# Altium PCB P0.PcbDoc (part 1 of 3) (continued)
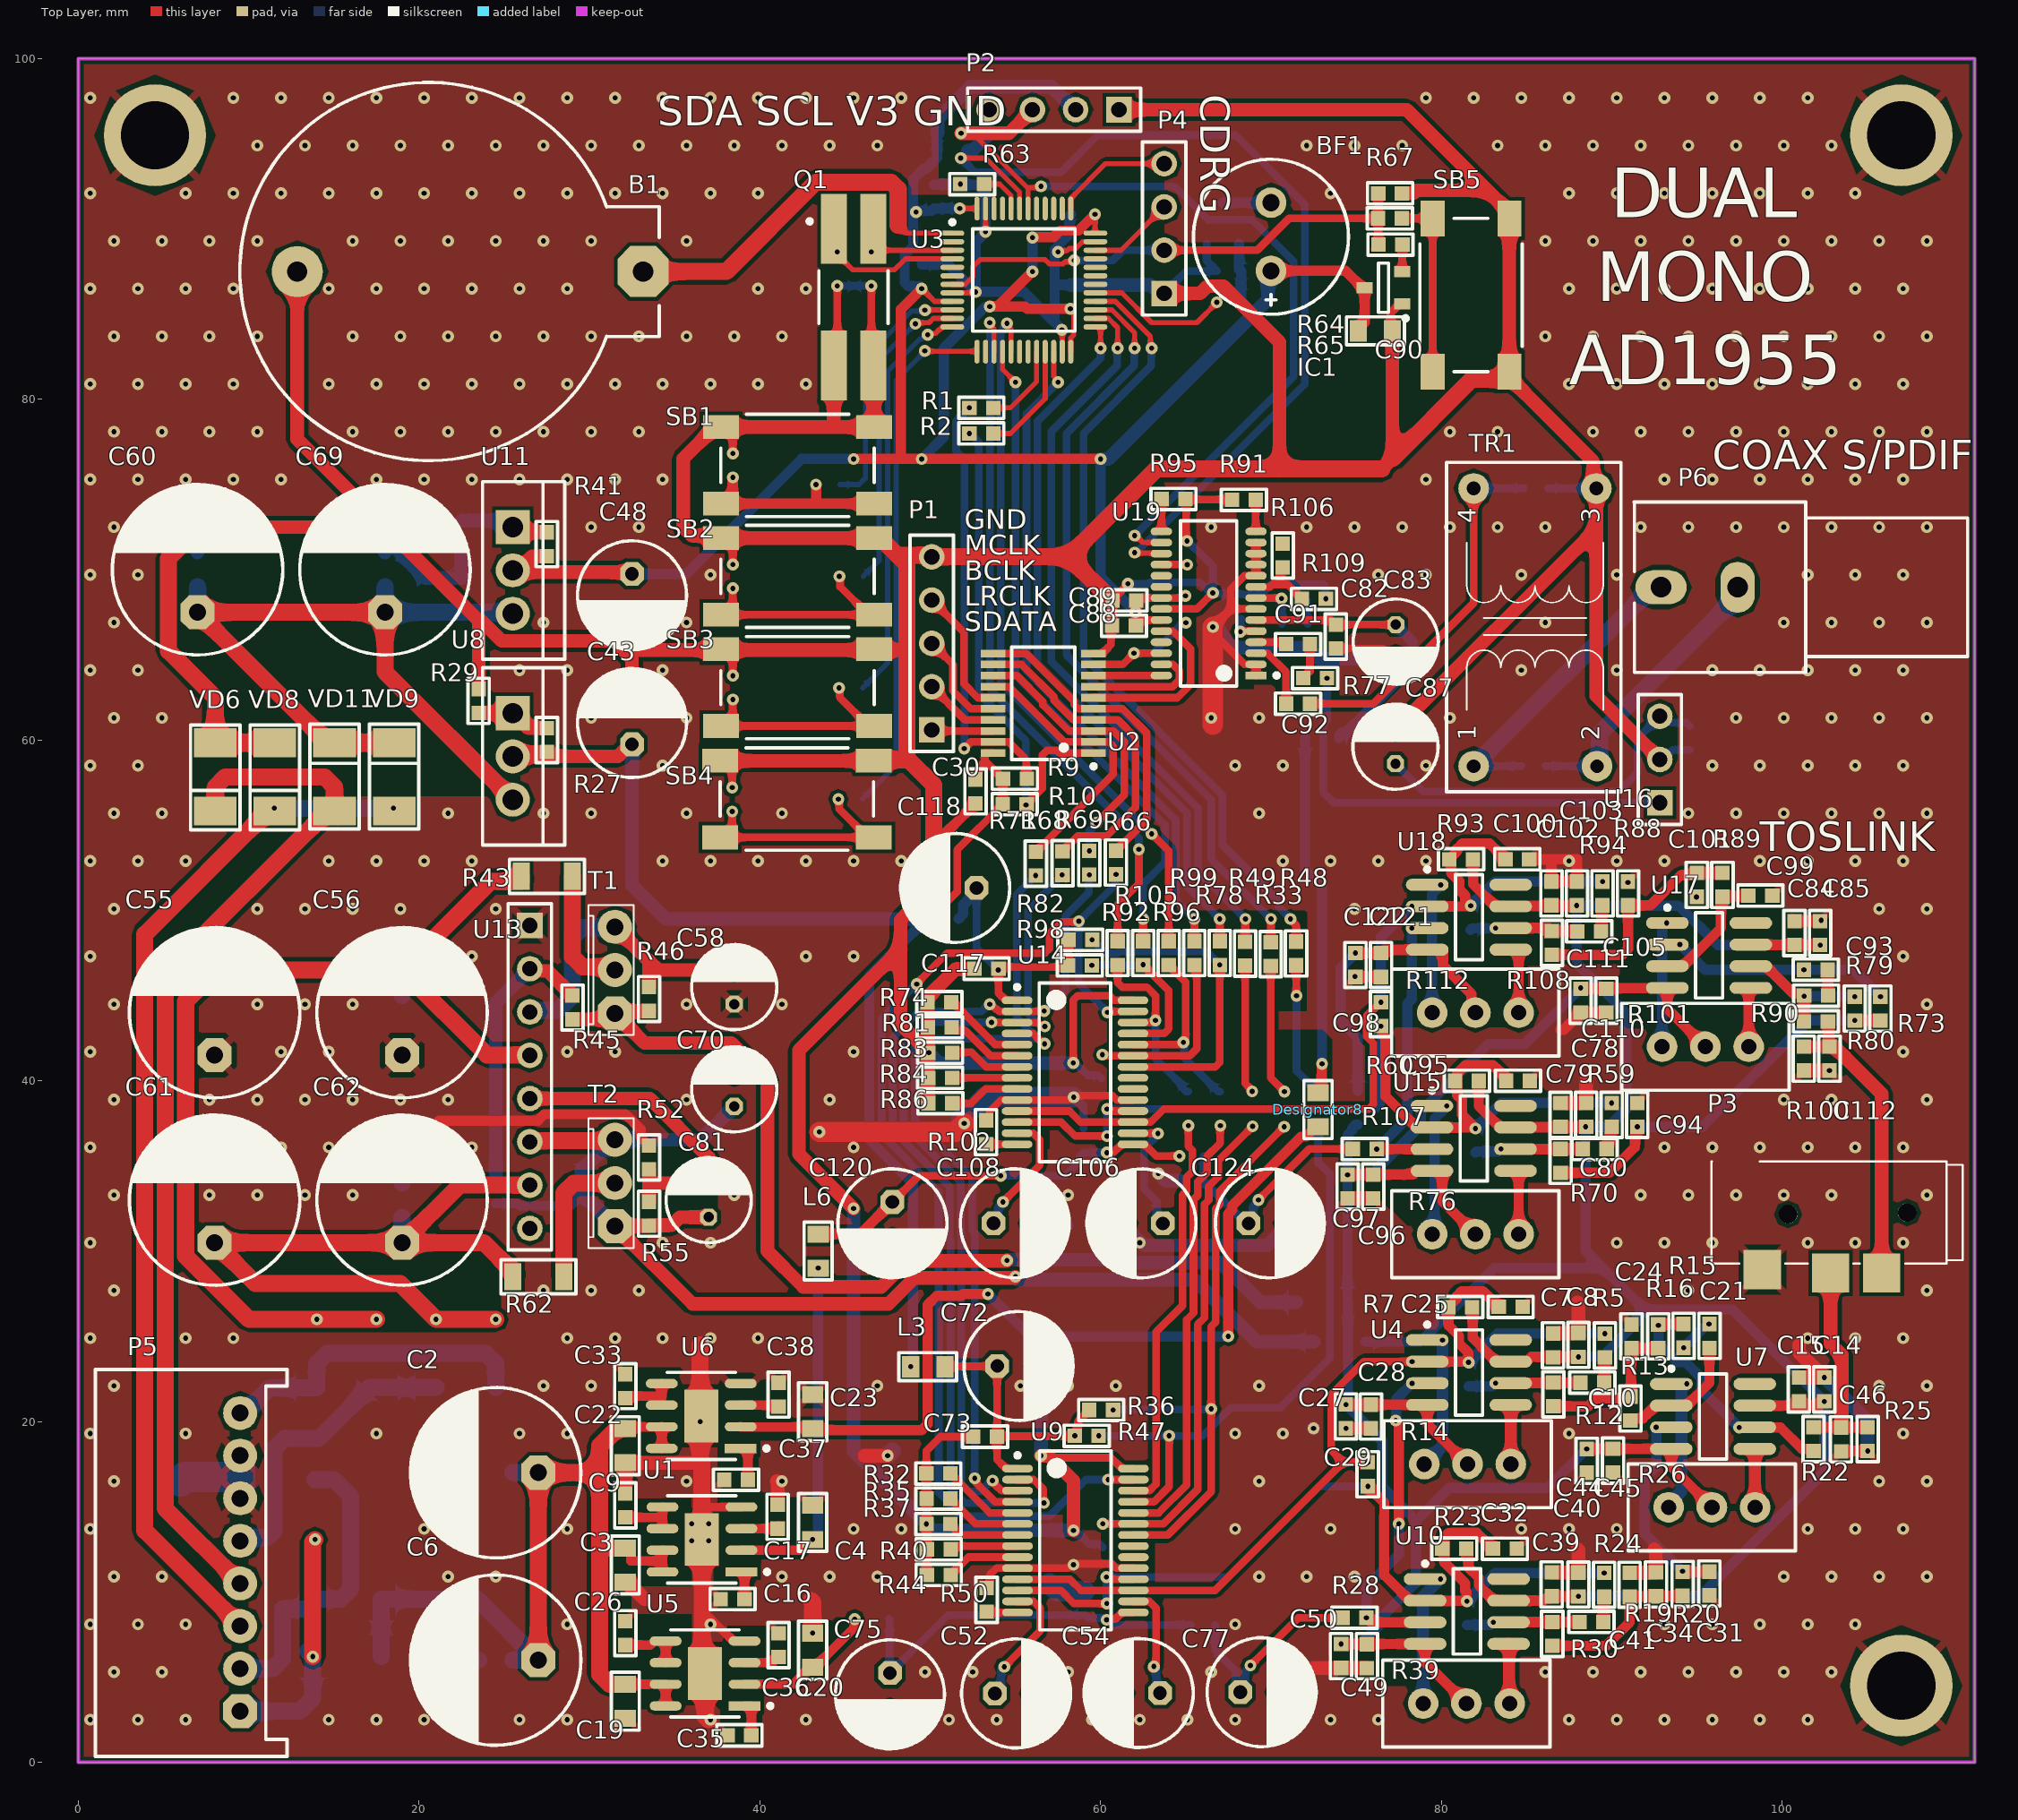
[diagram p0: Top Layer view]
## Components (designator, comment, footprint, x,y, rotation, side; value= is the part's Value field where it differs from the comment) (continued)
C86 "Ceramic capacitor, 0.1u, X7R, ±10%, 16V, 0201, -55...+125°C" "CAP: 0603" 94.587,60.127 r90 bottom value=0.1u
C87 "Aluminium capacitor, 10μF, 50V, ±20%, 54mOhm, 14x10x5 mm, -55...+105°C" "CAP: D5C2H11" 77.309,59.61 r90 top value=10μF
C88 "Ceramic capacitor, 0.1u, X7R, ±10%, 16V, 0201, -55...+125°C" "CAP: 0603" 61.374,66.71 r0 top value=0.1u
C89 "Ceramic capacitor, 0.1u, X7R, ±10%, 16V, 0201, -55...+125°C" "CAP: 0603" 61.39,68.197 r0 top value=0.1u
C90 "Ceramic capacitor, 0.1u, X7R, ±10%, 16V, 0201, -55...+125°C" "CAP: 0805" 76.13,84.02 r0 top value=0.1u
C91 "Ceramic capacitor, 10n, X7R, ±10%, 16V, 0201, -55...+125°C" "CAP: 0603" 71.591,65.636 r180 top value=10n
C92 "Ceramic capacitor, 10n, X7R, ±10%, 16V, 0201, -55...+125°C" "CAP: 0603" 71.591,62.136 r180 top value=10n
C93 "Ceramic capacitor, 2.7n, X7R, ±10%, 16V, 0201, -55...+125°C" "CAP: 0603" 101.978,46.519 r0 top value=2.7n
C94 "Ceramic capacitor, 5.6n, X7R, ±10%, 16V, 0201, -55...+125°C" "CAP: 0603" 91.5,38 r90 top value=5.6n
C95 "Ceramic capacitor, 100p, X7R, ±10%, 16V, 0201, -55...+125°C" "CAP: 0603" 84.5,40 r0 top value=100p
C96 "Ceramic capacitor, 0.1u, X7R, ±10%, 16V, 0201, -55...+125°C" "CAP: 0603" 76,33.8 r270 top value=0.1u
C97 "Ceramic capacitor, 4.7u, X7R, ±10%, 16V, 0201, -55...+125°C" "CAP: 0603" 74.5,33.8 r270 top value=4.7u
C98 "Ceramic capacitor, 100p, X7R, ±10%, 16V, 0201, -55...+125°C" "CAP: 0603" 76.456,43.913 r270 top value=100p
C99 "Ceramic capacitor, 2.7n, X7R, ±10%, 16V, 0201, -55...+125°C" "CAP: 0603" 98.726,50.874 r180 top value=2.7n
C100 "Ceramic capacitor, 100p, X7R, ±10%, 16V, 0201, -55...+125°C" "CAP: 0603" 84.46,53 r0 top value=100p
C101 "Ceramic capacitor, 5.6n, X7R, ±10%, 16V, 0201, -55...+125°C" "CAP: 0603" 95,51.5 r90 top value=5.6n
C102 "Ceramic capacitor, 4.7u, X7R, ±10%, 16V, 0201, -55...+125°C" "CAP: 0603" 86.46,51 r90 top value=4.7u
C103 "Ceramic capacitor, 0.1u, X7R, ±10%, 16V, 0201, -55...+125°C" "CAP: 0603" 87.96,51 r90 top value=0.1u
C104 "Ceramic capacitor, 10n, X7R, ±10%, 16V, 0201, -55...+125°C" "CAP: 0603" 68.264,67.837 r270 bottom value=10n
C105 "Ceramic capacitor, 100p, X7R, ±10%, 16V, 0201, -55...+125°C" "CAP: 0603" 88.683,48.772 r0 top value=100p
C106 "Aluminium capacitor, 100μF, 25V, ±20%, 54mOhm, 14x10x5 mm, -55...+105°C" "CAP: D6.3C2.5H11" 62.401,31.632 r180 top value=100μF
C107 "Ceramic capacitor, 0.1u, X7R, ±10%, 16V, 0201, -55...+125°C" "CAP: 0603" 54.968,32.893 r0 bottom value=0.1u
C108 "Aluminium capacitor, 100μF, 25V, ±20%, 54mOhm, 14x10x5 mm, -55...+105°C" "CAP: D6.3C2.5H11" 54.965,31.636 r0 top value=100μF
C109 "Ceramic capacitor, 0.1u, X7R, ±10%, 16V, 0201, -55...+125°C" "CAP: 0603" 62.401,33.132 r180 bottom value=0.1u
C110 "Ceramic capacitor, 0.1u, X7R, ±10%, 16V, 0201, -55...+125°C" "CAP: 0603" 89.678,44.7 r270 top value=0.1u
C111 "Ceramic capacitor, 4.7u, X7R, ±10%, 16V, 0201, -55...+125°C" "CAP: 0603" 88.178,44.7 r270 top value=4.7u
C112 "Ceramic capacitor, 3.9n, X7R, ±10%, 16V, 0201, -55...+125°C" "CAP: 0603" 102.779,41.302 r90 top value=3.9n
C113 "Ceramic capacitor, 22n, X7R, ±10%, 16V, 0201, -55...+125°C" "CAP: 0603" 72.173,66.109 r270 bottom value=22n
C114 "Ceramic capacitor, 1n, X7R, ±10%, 16V, 0201, -55...+125°C" "CAP: 0603" 70.639,66.119 r90 bottom value=1n
C115 "Ceramic capacitor, 12p, X7R, ±10%, 16V, 0201, -55...+125°C" "CAP: 0805" 46.55,87.66 r90 bottom value=12p
C116 "Ceramic capacitor, 12p, X7R, ±10%, 16V, 0201, -55...+125°C" "CAP: 0805" 44.55,87.66 r90 bottom value=12p
C117 "Ceramic capacitor, 0.1u, X7R, ±10%, 16V, 0201, -55...+125°C" "CAP: 0603" 53.309,46.585 r180 top value=0.1u
C118 "Aluminium capacitor, 100μF, 25V, ±20%, 54mOhm, 14x10x5 mm, -55...+105°C" "CAP: D6.3C2.5H11" 51.467,51.32 r180 top value=100μF
C119 "Ceramic capacitor, 0.1u, X7R, ±10%, 16V, 0201, -55...+125°C" "CAP: 0603" 59,36.5 r90 bottom value=0.1u
C120 "Aluminium capacitor, 100μF, 25V, ±20%, 54mOhm, 14x10x5 mm, -55...+105°C" "CAP: D6.3C2.5H11" 47.781,31.637 r270 top value=100μF
C121 "Ceramic capacitor, 0.1u, X7R, ±10%, 16V, 0201, -55...+125°C" "CAP: 0603" 76.46,46.8 r270 top value=0.1u
C122 "Ceramic capacitor, 4.7u, X7R, ±10%, 16V, 0201, -55...+125°C" "CAP: 0603" 74.96,46.8 r270 top value=4.7u
C123 "Ceramic capacitor, 0.1u, X7R, ±10%, 16V, 0201, -55...+125°C" "CAP: 0603" 70,33 r0 bottom value=0.1u
C124 "Aluminium capacitor, 100μF, 25V, ±20%, 54mOhm, 14x10x5 mm, -55...+105°C" "CAP: D6.3C2.5H11" 69.932,31.632 r0 top value=100μF
Designator2 "Comment" "RES: 0805" 75.091,38.417 r90 bottom
Designator3 "Comment" "RES: 0805" 65.147,38.375 r90 bottom
Designator4 "Comment" "RES: 0805" 67.028,38.364 r90 bottom
Designator5 "Comment" "RES: 0805" 68.927,38.315 r90 bottom
Designator6 "Comment" "RES: 0805" 70.842,38.306 r90 bottom
Designator7 "Comment" "RES: 0805" 72.763,38.326 r90 bottom
Designator8 "Comment" "RES: 0805" 72.763,38.306 r90 top
IC1 "MAX809SEUR" SOT95P230X112-3N 76.604,86.551 r180 top
L1 "Fixed inductor, 100nH, ±5%, 0201, 80mA, -55...+125°C" "IND: 0805" 58.409,12.601 r270 bottom value=100nH
L2 "Fixed inductor, 100nH, ±5%, 0201, 80mA, -55...+125°C" "IND: 0805" 46.587,8.427 r180 bottom value=100nH
L3 "Fixed inductor, 100nH, ±5%, 0201, 80mA, -55...+125°C" "IND: 0805" 49.857,23.223 r180 top value=100nH
L4 "Fixed inductor, 100nH, ±5%, 0201, 80mA, -55...+125°C" "IND: 0805" 73,60.138 r0 bottom value=100nH
L5 "Fixed inductor, 100nH, ±5%, 0201, 80mA, -55...+125°C" "IND: 0805" 58.4,40.044 r270 bottom value=100nH
L6 "Fixed inductor, 100nH, ±5%, 0201, 80mA, -55...+125°C" "IND: 0805" 43.423,30.007 r270 top value=100nH
L7 "Fixed inductor, 100nH, ±5%, 0201, 80mA, -55...+125°C" "IND: 0805" 66.591,67.636 r90 bottom value=100nH
L8 "Fixed inductor, 100nH, ±5%, 0201, 80mA, -55...+125°C" "IND: 0805" 50.667,49.514 r180 bottom value=100nH
P1 "I2S" HDR1X5 50.091,60.596 r90 top
P2 "Header 4" HDR1X4 61.08,97 r180 top
P3 "SJ2-3573A2-SMT-TR" CUI_SJ2-3573A2-SMT-TR 102.746,32.27 r180 top
P4 "SW" HDR1X4 63.734,86.215 r90 top
P5 "Connector, 8pin, 2.5mm, 250VAC, 3A" "CON: CWF-8R" 9.5,11.75 r90 top
P6 "RCA" RCA/4.5-H2 101.394,68.971 r0 top (schematic designator J1)
Q1 "32.768kHz" XTAL_EPSON_MC-406 45.5,86 r0 top
R1 "Resistor film, 1k, ±5%, 0201, 0.05W, -55...+125°C" "RES: 0603" 53,79.5 r0 top value=1k
R2 "Resistor film, 1k, ±5%, 0201, 0.05W, -55...+125°C" "RES: 0603" 53,78 r0 top value=1k
R3 "Resistor film, 1k, ±5%, 0201, 0.05W, -55...+125°C" "RES: 0603" 81.6,22.773 r270 bottom value=1k
R4 "Resistor film, 1k, ±5%, 0201, 0.05W, -55...+125°C" "RES: 0603" 44,75 r180 bottom value=1k
R5 "Resistor film, 100r, ±5%, 0201, 0.05W, -55...+125°C" "RES: 0603" 89.6,24.465 r270 top value=100r
R6 "Resistor film, 1k, ±5%, 0201, 0.05W, -55...+125°C" "RES: 0603" 45.368,69.605 r180 bottom value=1k
R7 "Resistor film, 1k, ±5%, 0201, 0.05W, -55...+125°C" "RES: 0603" 81.113,26.716 r180 top value=1k
R8 "Resistor film, 1k, ±5%, 0201, 0.05W, -55...+125°C" "RES: 0603" 45.347,63.069 r180 bottom value=1k
R9 "Resistor film, 20k, ±5%, 0201, 0.05W, -55...+125°C" "RES: 0603" 54.97,57.735 r180 top value=20k
R10 "Resistor film, 20k, ±5%, 0201, 0.05W, -55...+125°C" "RES: 0603" 54.96,56.238 r180 top value=20k
R11 "Resistor film, 1k, ±5%, 0201, 0.05W, -55...+125°C" "RES: 0603" 45.31,56.537 r180 bottom value=1k
R12 "Resistor film, 680r, ±5%, 0201, 0.05W, -55...+125°C" "RES: 0603" 86.576,21.599 r270 top value=680r
R13 "Resistor film, 324r, ±5%, 0201, 0.05W, -55...+125°C" "RES: 0603" 91.1,20.765 r90 top value=324r
R14 "Resistor film, 20k, ±10%, 3296W, 0.5W, -55...+125°C" "RES: 3296W" 79,17.5 r0 top value=20k
R15 "Resistor film, 100r, ±5%, 0201, 0.05W, -55...+125°C" "RES: 0603" 94.219,25.028 r270 top value=100r
R16 "Resistor film, 226r, ±5%, 0201, 0.05W, -55...+125°C" "RES: 0603" 92.73,25.003 r90 top value=226r
R17 "Resistor film, 4k7, ±5%, 0201, 0.05W, -55...+125°C" "RES: 0603" 51.092,94.163 r180 bottom value=4k7
R18 "Resistor film, 1k, ±5%, 0201, 0.05W, -55...+125°C" "RES: 0603" 81.497,8.762 r270 bottom value=1k
R19 "Resistor film, 226r, ±5%, 0201, 0.05W, -55...+125°C" "RES: 0603" 91.051,10.418 r90 top value=226r
R20 "Resistor film, 324r, ±5%, 0201, 0.05W, -55...+125°C" "RES: 0603" 94.164,10.472 r90 top value=324r
R21 "Resistor film, 4k7, ±5%, 0201, 0.05W, -55...+125°C" "RES: 0603" 51.11,95.618 r180 bottom value=4k7
R22 "Resistor film, 330r, ±5%, 0201, 0.05W, -55...+125°C" "RES: 0603" 101.848,18.967 r90 top value=330r
R23 "Resistor film, 1k, ±5%, 0201, 0.05W, -55...+125°C" "RES: 0603" 80.761,12.546 r180 top value=1k
R24 "Resistor film, 100r, ±5%, 0201, 0.05W, -55...+125°C" "RES: 0603" 89.551,10.418 r270 top value=100r
R25 "Resistor film, open, ±5%, 0201, 0.05W, -55...+125°C" "RES: 0603" 105.022,18.97 r90 top value=open
R26 "Resistor film, 20k, ±10%, 3296W, 0.5W, -55...+125°C" "RES: 3296W" 93.339,14.968 r0 top value=20k
R27 "Resistor film, 240r, ±5%, 0201, 0.05W, -55...+125°C" "RES: 0603" 27.5,60 r270 top value=240r
R28 "Resistor film, 400r, ±5%, 0201, 0.05W, -55...+125°C" "RES: 0603" 74.906,8.484 r0 top value=400r
R29 "Resistor film, 720r, ±5%, 0201, 0.05W, -55...+125°C" "RES: 0603" 23.5,62.3 r90 top value=720r
R30 "Resistor film, 680r, ±5%, 0201, 0.05W, -55...+125°C" "RES: 0603" 86.511,7.541 r270 top value=680r
R31 "Resistor film, 1K, ±5%, 0201, 0.05W, -55...+125°C" "RES: 0603" 67.545,85.986 r0 bottom value=1K
R32 "Resistor film, 20k, ±5%, 0201, 0.05W, -55...+125°C" "RES: 0603" 50.478,16.954 r0 top value=20k
R33 "Resistor film, 1k, ±5%, 0201, 0.05W, -55...+125°C" "RES: 0603" 69.988,47.441 r90 top value=1k
R34 "Resistor film, 10K, ±5%, 0201, 0.05W, -55...+125°C" "RES: 0603" 67.545,87.52 r180 bottom value=10K
R35 "Resistor film, 20k, ±5%, 0201, 0.05W, -55...+125°C" "RES: 0603" 50.488,15.477 r0 top value=20k
R36 "Resistor film, 20k, ±5%, 0201, 0.05W, -55...+125°C" "RES: 0603" 60.034,20.679 r180 top value=20k
R37 "Resistor film, 20k, ±5%, 0201, 0.05W, -55...+125°C" "RES: 0603" 50.484,13.985 r0 top value=20k
R38 "Resistor film, 2.2R, ±5%, 0201, 0.05W, -55...+125°C" "RES: 1206" 73,27 r180 bottom value=2.2R
R39 "Resistor film, 20k, ±10%, 3296W, 0.5W, -55...+125°C" "RES: 3296W" 78.934,3.453 r0 top value=20k
R40 "Resistor film, 20k, ±5%, 0201, 0.05W, -55...+125°C" "RES: 0603" 50.5,12.5 r0 top value=20k
R41 "Resistor film, 240r, ±5%, 0201, 0.05W, -55...+125°C" "RES: 0603" 27.5,71.5 r270 top value=240r
R42 "Resistor film, 400r, ±5%, 0201, 0.05W, -55...+125°C" "RES: 0603" 22.5,72.2 r270 bottom value=400r
R43 "Resistor film, 4.7R, ±5%, 0201, 0.05W, -55...+125°C" "RES: 1206" 27.5,52 r180 top value=4.7R
R44 "Resistor film, 20k, ±5%, 0201, 0.05W, -55...+125°C" "RES: 0603" 50.5,11 r0 top value=20k
R45 "Resistor film, 10k, ±5%, 0201, 0.05W, -55...+125°C" "RES: 0603" 29,44.3 r90 top value=10k
R46 "Resistor film, 1k, ±5%, 0201, 0.05W, -55...+125°C" "RES: 0603" 33.5,44.8 r90 top value=1k
R47 "Resistor film, 20k, ±5%, 0201, 0.05W, -55...+125°C" "RES: 0603" 59.188,19.163 r0 top value=20k
R48 "Resistor film, 100r, ±5%, 0201, 0.05W, -55...+125°C" "RES: 0603" 71.475,47.477 r270 top value=100r
R49 "Resistor film, 1k, ±5%, 0201, 0.05W, -55...+125°C" "RES: 0603" 68.486,47.466 r270 top value=1k
R50 "Resistor film, 2k5, ±5%, 0201, 0.05W, -55...+125°C" "RES: 0603" 53.312,9.529 r90 top value=2k5
R51 "Resistor film, 20k, ±5%, 0201, 0.05W, -55...+125°C" "RES: 0603" 60.136,13.305 r90 bottom value=20k
R52 "Resistor film, 1k8, ±5%, 0201, 0.05W, -55...+125°C" "RES: 0603" 33.5,35.5 r270 top value=1k8
R53 "Resistor film, 1k, ±5%, 0201, 0.05W, -55...+125°C" "RES: 0603" 82,36.5 r270 bottom value=1k
R54 "Resistor film, 2k8, ±5%, 0201, 0.05W, -55...+125°C" "RES: 0603" 66.038,6.573 r0 bottom value=2k8
R55 "Resistor film, 10k, ±5%, 0201, 0.05W, -55...+125°C" "RES: 0603" 33.5,32.2 r270 top value=10k
R56 "Resistor film, 10k, ±5%, 0201, 0.05W, -55...+125°C" "RES: 0603" 24.5,33.5 r270 bottom value=10k
R57 "Resistor film, 1k, ±5%, 0201, 0.05W, -55...+125°C" "RES: 0603" 29.5,34 r270 bottom value=1k
R58 "Resistor film, 2k2, ±5%, 0201, 0.05W, -55...+125°C" "RES: 0603" 66.014,8.065 r0 bottom value=2k2
R59 "Resistor film, 100r, ±5%, 0201, 0.05W, -55...+125°C" "RES: 0603" 90,38 r270 top value=100r
R60 "Resistor film, 1k, ±5%, 0201, 0.05W, -55...+125°C" "RES: 0603" 81.5,40 r180 top value=1k
R61 "Resistor film, 2.2R, ±5%, 0201, 0.05W, -55...+125°C" "RES: 1206" 74.023,24.686 r180 bottom value=2.2R
R62 "Resistor film, 4.7R, ±5%, 0201, 0.05W, -55...+125°C" "RES: 1206" 27,28.5 r180 top value=4.7R
R63 "Resistor film, 20k, ±5%, 0201, 0.05W, -55...+125°C" "RES: 0603" 52.467,92.631 r180 top value=20k
R64 "Resistor film, 4k7, ±5%, 0201, 0.05W, -55...+125°C" "RES: 0603" 76.985,90.622 r0 top value=4k7
R65 "Resistor film, 4k7, ±5%, 0201, 0.05W, -55...+125°C" "RES: 0603" 77.015,89.081 r0 top value=4k7
R66 "Resistor film, 100r, ±5%, 0201, 0.05W, -55...+125°C" "RES: 0603" 60.903,52.813 r270 top value=100r
R67 "Resistor film, 100k, ±5%, 0201, 0.05W, -55...+125°C" "RES: 0603" 76.995,92.09 r180 top value=100k
R68 "Resistor film, 100r, ±5%, 0201, 0.05W, -55...+125°C" "RES: 0603" 57.767,52.77 r270 top value=100r
R69 "Resistor film, 100r, ±5%, 0201, 0.05W, -55...+125°C" "RES: 0603" 59.339,52.798 r270 top value=100r
R70 "Resistor film, 680r, ±5%, 0201, 0.05W, -55...+125°C" "RES: 0603" 87,35.3 r270 top value=680r
R71 "Resistor film, 100r, ±5%, 0201, 0.05W, -55...+125°C" "RES: 0603" 56.203,52.749 r270 top value=100r
R72 "Resistor film, 47k, ±5%, 0201, 0.05W, -55...+125°C" "RES: 0603" 64.983,67.712 r90 bottom value=47k
R73 "Resistor film, 324r, ±5%, 0201, 0.05W, -55...+125°C" "RES: 0603" 105.766,44.243 r270 top value=324r
R74 "Resistor film, 20k, ±5%, 0201, 0.05W, -55...+125°C" "RES: 0603" 50.542,44.614 r0 top value=20k
R75 "Resistor film, 75r, ±5%, 0201, 0.05W, -55...+125°C" "RES: 0603" 85.549,74.795 r180 bottom value=75r
R76 "Resistor film, 20k, ±10%, 3296W, 0.5W, -55...+125°C" "RES: 3296W" 79.46,31 r0 top value=20k
R77 "Resistor film, 100r, ±5%, 0201, 0.05W, -55...+125°C" "RES: 0603" 72.591,63.636 r180 top value=100r
R78 "Resistor film, 1k, ±5%, 0201, 0.05W, -55...+125°C" "RES: 0603" 67,47.5 r90 top value=1k
R79 "Resistor film, 100r, ±5%, 0201, 0.05W, -55...+125°C" "RES: 0603" 102,45 r0 top value=100r
R80 "Resistor film, 226r, ±5%, 0201, 0.05W, -55...+125°C" "RES: 0603" 104.266,44.243 r90 top value=226r
R81 "Resistor film, 20k, ±5%, 0201, 0.05W, -55...+125°C" "RES: 0603" 50.562,43.146 r0 top value=20k
R82 "Resistor film, 20k, ±5%, 0201, 0.05W, -55...+125°C" "RES: 0603" 58.809,48.277 r180 top value=20k
R83 "Resistor film, 20k, ±5%, 0201, 0.05W, -55...+125°C" "RES: 0603" 50.583,41.647 r0 top value=20k
R84 "Resistor film, 20k, ±5%, 0201, 0.05W, -55...+125°C" "RES: 0603" 50.582,40.172 r0 top value=20k
R85 "Resistor film, 75r, ±5%, 0201, 0.05W, -55...+125°C" "RES: 0603" 85.398,58.471 r180 bottom value=75r
R86 "Resistor film, 20k, ±5%, 0201, 0.05W, -55...+125°C" "RES: 0603" 50.601,38.685 r0 top value=20k
R87 "Resistor film, 1k, ±5%, 0201, 0.05W, -55...+125°C" "RES: 0603" 81.723,49.567 r270 bottom value=1k
R88 "Resistor film, 226r, ±5%, 0201, 0.05W, -55...+125°C" "RES: 0603" 90.96,51 r90 top value=226r
R89 "Resistor film, 324r, ±5%, 0201, 0.05W, -55...+125°C" "RES: 0603" 96.5,51.5 r270 top value=324r
R90 "Resistor film, 330r, ±5%, 0201, 0.05W, -55...+125°C" "RES: 0603" 101.99,43.488 r0 top value=330r
R91 "Resistor film, 47k, ±5%, 0201, 0.05W, -55...+125°C" "RES: 0603" 68.407,74.102 r180 top value=47k
R92 "Resistor film, 100r, ±5%, 0201, 0.05W, -55...+125°C" "RES: 0603" 61,47.5 r270 top value=100r
R93 "Resistor film, 1k, ±5%, 0201, 0.05W, -55...+125°C" "RES: 0603" 81.16,53 r180 top value=1k
R94 "Resistor film, 100r, ±5%, 0201, 0.05W, -55...+125°C" "RES: 0603" 89.46,51 r270 top value=100r
R95 "Resistor film, 47k, ±5%, 0201, 0.05W, -55...+125°C" "RES: 0603" 64.279,74.153 r0 top value=47k
R96 "Resistor film, 100r, ±5%, 0201, 0.05W, -55...+125°C" "RES: 0603" 64,47.5 r270 top value=100r
R97 "Resistor film, 47k, ±5%, 0201, 0.05W, -55...+125°C" "RES: 0603" 65.078,70.987 r90 bottom value=47k
R98 "Resistor film, 20k, ±5%, 0201, 0.05W, -55...+125°C" "RES: 0603" 58.785,46.775 r0 top value=20k
R99 "Resistor film, 1k, ±5%, 0201, 0.05W, -55...+125°C" "RES: 0603" 65.5,47.5 r270 top value=1k
R100 "Resistor film, open, ±5%, 0201, 0.05W, -55...+125°C" "RES: 0603" 101.279,41.302 r90 top value=open
R101 "Resistor film, 20k, ±10%, 3296W, 0.5W, -55...+125°C" "RES: 3296W" 92.96,42 r0 top value=20k
R102 "Resistor film, 2k5, ±5%, 0201, 0.05W, -55...+125°C" "RES: 0603" 53.277,36.987 r90 top value=2k5
R103 "Resistor film, 20k, ±5%, 0201, 0.05W, -55...+125°C" "RES: 0603" 60.065,40.824 r90 bottom value=20k
R104 "Resistor film, 3k, ±5%, 0201, 0.05W, -55...+125°C" "RES: 0603" 71.321,68.305 r0 bottom value=3k
R105 "Resistor film, 100r, ±5%, 0201, 0.05W, -55...+125°C" "RES: 0603" 62.5,47.5 r270 top value=100r
R106 "Resistor film, 1k, ±5%, 0201, 0.05W, -55...+125°C" "RES: 0603" 70.694,70.827 r270 top value=1k
R107 "Resistor film, 400r, ±5%, 0201, 0.05W, -55...+125°C" "RES: 0603" 75.5,36 r0 top value=400r
R108 "Resistor film, 680r, ±5%, 0201, 0.05W, -55...+125°C" "RES: 0603" 86.486,48.091 r270 top value=680r
R109 "Resistor film, 47k, ±5%, 0201, 0.05W, -55...+125°C" "RES: 0603" 72.524,68.291 r0 top value=47k
R110 "Resistor film, 2k8, ±5%, 0201, 0.05W, -55...+125°C" "RES: 0603" 65.348,34.107 r0 bottom value=2k8
R111 "Resistor film, 2k2, ±5%, 0201, 0.05W, -55...+125°C" "RES: 0603" 65.359,35.584 r0 bottom value=2k2
R112 "Resistor film, 20k, ±10%, 3296W, 0.5W, -55...+125°C" "RES: 3296W" 79.46,44 r0 top value=20k
SB1 "Tactile button, 6x6mm" "BUT: 6x6 SMD" 42.215,76.123 r180 top
SB2 "Tactile button, 6x6mm" "BUT: 6x6 SMD" 42.215,69.605 r180 top
SB3 "Tactile button, 6x6mm" "BUT: 6x6 SMD" 42.215,63.079 r180 top
SB4 "Tactile button, 6x6mm" "BUT: 6x6 SMD" 42.178,56.537 r180 top
SB5 "Tactile button, 6x6mm" "BUT: 6x6 SMD" 81.742,86.12 r90 top
T1 "BD140C" "TO126V A" 31.5,46.5 r90 top
T2 "BD139C" "TO126V A" 31.5,34 r90 top
TR1 "Transformer, 1000:1000," "TRANS: ZMPT107" 81.898,58.471 r90 top (schematic designator T3)
U1 "ADM7150ARDZ-3.3" Analog_Devices_Inc_RD-8-2_0 36.602,13.082 r180 top value=SKIP
U2 "74HCT245PW" SOP65P640X110-20N 56.641,62.161 r180 top
U3 "" 48-LQFP 55.5,87 r0 top (schematic designator U12)
U4 "AD797" ADI-R-8_M 81.625,22.884 r0 top
U5 "ADM7150ARDZ-3.3" Analog_Devices_Inc_RD-8-2_0 36.785,5.217 r180 top value=SKIP
U6 "ADM7150ARDZ-3.3" Analog_Devices_Inc_RD-8-2_0 36.561,20.331 r180 top value=SKIP
U7 "AD797" ADI-R-8_M 95.949,20.302 r0 top
U8 "LM317" TO-220-V 25.5,59.04 r270 top
U9 "AD1955ARSZ" ADI-RS-28_L 58.525,13.018 r0 top
U10 "AD797" ADI-R-8_M 81.497,8.855 r0 top
U11 "LM317" TO-220-V 25.5,69.96 r270 top
U13 "M5230L" HDR1X8 26.5,49.12 r270 top
U14 "AD1955ARSZ" ADI-RS-28_L 58.5,40.5 r0 top
U15 "AD797" ADI-R-8_M 81.904,36.625 r0 top
U16 "TORX147" HDR1X3 92.824,56.32 r90 top
U17 "AD797" ADI-R-8_M 95.717,47.362 r0 top
U18 "AD797" ADI-R-8_M 81.625,49.602 r0 top
U19 "CS8416-CZZ" Cirrus_Logic_CS8416-CZZ_0 66.347,68.021 r180 top value=SKIP
VD1 "Schottky diode, 80V, 500mA, 1V, 15pF, SOD-123, -55...+150°C" "DIODE: SMA" 15.895,16.582 r180 bottom
VD2 "Schottky diode, 80V, 500mA, 1V, 15pF, SOD-123, -55...+150°C" "DIODE: SMA" 15.895,13.082 r180 bottom
VD3 "Schottky diode, 80V, 500mA, 1V, 15pF, SOD-123, -55...+150°C" "DIODE: SMA" 15.763,6.203 r0 bottom
VD4 "Schottky diode, 80V, 500mA, 1V, 15pF, SOD-123, -55...+150°C" "DIODE: SMA" 15.795,9.582 r0 bottom
VD5 "Schottky diode, 80V, 500mA, 1V, 15pF, SOD-123, -55...+150°C" "DIODE: SMA" 14,24 r270 bottom
VD6 "Schottky diode, 80V, 500mA, 1V, 15pF, SOD-123, -55...+150°C" "DIODE: SMA" 8.038,57.838 r270 top
VD7 "Schottky diode, 80V, 500mA, 1V, 15pF, SOD-123, -55...+150°C" "DIODE: SMA" 17.5,24 r270 bottom
VD8 "Schottky diode, 80V, 500mA, 1V, 15pF, SOD-123, -55...+150°C" "DIODE: SMA" 11.538,57.838 r270 top
VD9 "Schottky diode, 80V, 500mA, 1V, 15pF, SOD-123, -55...+150°C" "DIODE: SMA" 18.538,57.838 r90 top
VD10 "Schottky diode, 80V, 500mA, 1V, 15pF, SOD-123, -55...+150°C" "DIODE: SMA" 21,24 r90 bottom
VD11 "Schottky diode, 80V, 500mA, 1V, 15pF, SOD-123, -55...+150°C" "DIODE: SMA" 15.038,57.838 r90 top
VD12 "Schottky diode, 80V, 500mA, 1V, 15pF, SOD-123, -55...+150°C" "DIODE: SMA" 24.5,24 r90 bottom
VT1 "NPN transistor, 45V, 100mA, 100MHz, 300mW, 0.6V, 420, SOT-23, -55...+125°C" SOT23 67.181,90.327 r90 bottom

## Footprints (in the part's own frame and the unit in brackets; to place one, negate y for a bottom-side part, rotate by r counter-clockwise, add the part's x,y. Pads: shape width x height; smd on the part's side, far side on the other; paste and mask are expansions set on the pad)
48-LQFP [mm] "QFP, 48-Leads, Body 7x7mm, Pitch 0.5mm, IPC Medium Density"
  oval 1.4x0.3 smd: 1(-4.2,2.75) 2(-4.2,2.25) 3(-4.2,1.75) 4(-4.2,1.25) 5(-4.2,0.75) 6(-4.2,0.25) 7(-4.2,-0.25) 8(-4.2,-0.75) 9(-4.2,-1.25) 10(-4.2,-1.75) 11(-4.2,-2.25) 12(-4.2,-2.75) 25(4.2,-2.75) 26(4.2,-2.25) 27(4.2,-1.75) 28(4.2,-1.25) 29(4.2,-0.75) 30(4.2,-0.25) 31(4.2,0.25) 32(4.2,0.75) 33(4.2,1.25) 34(4.2,1.75) 35(4.2,2.25) 36(4.2,2.75)
  oval 0.3x1.4 smd: 13(-2.75,-4.2) 14(-2.25,-4.2) 15(-1.75,-4.2) 16(-1.25,-4.2) 17(-0.75,-4.2) 18(-0.25,-4.2) 19(0.25,-4.2) 20(0.75,-4.2) 21(1.25,-4.2) 22(1.75,-4.2) 23(2.25,-4.2) 24(2.75,-4.2) 37(2.75,4.2) 38(2.25,4.2) 39(1.75,4.2) 40(1.25,4.2) 41(0.75,4.2) 42(0.25,4.2) 43(-0.25,4.2) 44(-0.75,4.2) 45(-1.25,4.2) 46(-1.75,4.2) 47(-2.25,4.2) 48(-2.75,4.2)
  round 0.5 on Mech1: ""(-4,4)
  silkscreen extent -4.32,-3 3,3.52, body extent -4.5,-4.5 4.5,4.5, height 1.6
ADI-R-8_M [mm] "SOIC, 8-Leads, Body 4.9x3.9mm, Pitch 1.27mm, IPC Low Density"
  oval 2.5x0.7 smd: 1(-2.45,1.905) 2(-2.45,0.635) 3(-2.45,-0.635) 4(-2.45,-1.905) 5(2.45,-1.905) 6(2.45,-0.635) 7(2.45,0.635) 8(2.45,1.905)
  silkscreen extent -2.57,-2.5 0.8,2.93, body extent -2,-2.5 2,2.5, height 1.75
ADI-RS-28_L [mm] "SOP, 28-Leads, Body 10.2x5.3mm, Pitch 0.65mm, IPC High Density"
  oval 1.8x0.45 smd: 1(-3.4,4.225) 2(-3.4,3.575) 3(-3.4,2.925) 4(-3.4,2.275) 5(-3.4,1.625) 6(-3.4,0.975) 7(-3.4,0.325) 8(-3.4,-0.325) 9(-3.4,-0.975) 10(-3.4,-1.625) 11(-3.4,-2.275) 12(-3.4,-2.925) 13(-3.4,-3.575) 14(-3.4,-4.225) 15(3.4,-4.225) 16(3.4,-3.575) 17(3.4,-2.925) 18(3.4,-2.275) 19(3.4,-1.625) 20(3.4,-0.975) 21(3.4,-0.325) 22(3.4,0.325) 23(3.4,0.975) 24(3.4,1.625) 25(3.4,2.275) 26(3.4,2.925) 27(3.4,3.575) 28(3.4,4.225)
  silkscreen extent -3.52,-5.25 2.1,5.25, body extent -2.8,-5.25 2.8,5.25, height 2
Analog_Devices_Inc_RD-8-2_0 [mm]
  rect 1.874x0.542 smd paste+0 mask+0: 1(-2.316,1.905)
  oval 1.874x0.542 smd paste+0 mask+0: 2(-2.316,0.635) 3(-2.316,-0.635) 4(-2.316,-1.905) 5(2.316,-1.905) 6(2.316,-0.635) 7(2.316,0.635) 8(2.316,1.905)
  rect 2x3.098 smd paste-1000 mask+0: 9(0,0)
  silkscreen extent -3.95,-2.56 2,2.56, body extent -3.35,-2.6 3.35,2.6, height 0.25
"BAT: CH224-2032" [mm] "пїЅпїЅпїЅпїЅпїЅпїЅпїЅпїЅпїЅпїЅ пїЅпїЅпїЅпїЅпїЅ пїЅпїЅпїЅ пїЅпїЅпїЅпїЅпїЅпїЅпїЅпїЅ 2032"
  oct 3x3 hole 1.2: 1(-10.151,0)
  round 3 hole 1.2: 2(10.152,0)
  silkscreen extent -11.1,-11.1 13.52,11.1, body extent -11.08,-11 13.42,11, height 8.5
"BUT: 6x6 SMD" [mm] "Leaded Tactile Button 6x6"
  rect 2.1x1.4 smd: 1(-4.5,2.25) 1(4.5,2.25) 2(-4.5,-2.25) 2(4.5,-2.25)
  silkscreen extent -4.5,-3 4.5,3, body extent -4.5,-3 4.5,3, height 4.3
"BUZ: AT-0927-TT-6-R" [mm]
  round 1.8 hole 1: 1(2,0) 2(-2,0)
  silkscreen extent -4.55,-4.55 4.55,4.55, body extent -4.5,-4.5 4.5,4.5, height 4.52
"CAP: 0603" [mm]
  rect 0.85x0.85 smd: 1(-0.7,0) 2(0.7,0)
  silkscreen extent -1.33,-0.63 1.33,0.63, body extent -0.8,-0.4 0.8,0.4, height 0.3
"CAP: 0805" [mm]
  rect 1x1.25 smd: 1(-1,0) 2(1,0)
  silkscreen extent -1.7,-0.82 1.7,0.82, body extent -1,-0.62 1,0.63, height 0.78
"CAP: D5C2H11" [mm]
  oct 1x1 hole 0.6: 1(-1,0)
  round 1 hole 0.6: 2(1,0)
  silkscreen extent -2.5,-2.5 2.5,2.5, body extent -2.75,-2.75 2.75,2.75, height 13.5
"CAP: D6.3C2.5H11" [mm]
  oct 1.4x1.4 hole 0.8: 1(-1.25,0)
  round 1.4 hole 0.8: 2(1.25,0)
  silkscreen extent -3.2,-3.2 3.2,3.2, body extent -3.4,-3.4 3.4,3.4, height 12.5
"CAP: D10C5H20" [mm]
  oct 2x2 hole 1: 1(-2.5,0)
  round 2 hole 1: 2(2.5,0)
  silkscreen extent -5,-5 5,5, body extent -5.25,-5.25 5.25,5.25, height 22
Cirrus_Logic_CS8416-CZZ_0 [mm]
  rect 1.259x0.45 smd paste+0 mask+0: 1(-2.777,4.225)
  oval 1.259x0.45 smd paste+0 mask+0: 2(-2.777,3.575) 3(-2.777,2.925) 4(-2.777,2.275) 5(-2.777,1.625) 6(-2.777,0.975) 7(-2.777,0.325) 8(-2.777,-0.325) 9(-2.777,-0.975) 10(-2.777,-1.625) 11(-2.777,-2.275) 12(-2.777,-2.925) 13(-2.777,-3.575) 14(-2.777,-4.225) 15(2.777,-4.225) 16(2.777,-3.575) 17(2.777,-2.925) 18(2.777,-2.275) 19(2.777,-1.625) 20(2.777,-0.975) 21(2.777,-0.325) 22(2.777,0.325) 23(2.777,0.975) 24(2.777,1.625) 25(2.777,2.275) 26(2.777,2.925) 27(2.777,3.575) 28(2.777,4.225)
  silkscreen extent -4.11,-4.85 1.65,4.85, body extent -3.51,-5.2 3.51,5.2, height 0.25
"CON: CWF-8R" [mm]
  oct 2x2 hole 1: 1(-8.75,0)
  round 2 hole 1: 2(-6.25,0) 3(-3.75,0) 4(-1.25,0) 5(1.25,0) 6(3.75,0) 7(6.25,0) 8(8.75,0)
  round 0.5 on Mech1: ""(-10.7,-2.1)
  round 0.5 on Top Overlay: ""(-10,-1)
  silkscreen extent -11.4,-2.75 11.31,8.5, body extent -11.3,-2.62 11.2,8.88, height 5.85
CUI_SJ2-3573A2-SMT-TR [mm]
  rect 2.2x2.3 smd: 2(3.9,3.35) 3(-0.1,3.55) 4(-3.1,3.55)
  round 1.1 hole 1.1 unplated: ""(-4.6,0) ""(2.4,0.1)
  silkscreen extent -7.85,-3 6.9,3
"DIODE: SMA" [mm]
  rect 1.7x2.5 smd: 1(-2,0) 2(2,0)
  round 0.5 on Mech1: ""(2,0.9)
  silkscreen extent -3.05,-1.45 3.1,1.45, body extent -2.5,-1.35 2.5,1.35, height 2.28
HDR1X3 [mm] "Connector; Header; 3 Position"
  rect 1.5x1.5 hole 0.9: 1(0,0)
  round 1.5 hole 0.9: 2(2.54,0) 3(5.08,0)
  silkscreen extent -1.27,-1.27 6.35,1.27
HDR1X4 [mm] "Connector; Header; 4 Position"
  rect 1.5x1.5 hole 0.9: 1(0,0)
  round 1.5 hole 0.9: 2(2.54,0) 3(5.08,0) 4(7.62,0)
  silkscreen extent -1.27,-1.27 8.89,1.27
HDR1X5 [mm] "Connector; Header; 5 Position"
  rect 1.5x1.5 hole 0.9: 1(0,0)
  round 1.5 hole 0.9: 2(2.54,0) 3(5.08,0) 4(7.62,0) 5(10.16,0)
  silkscreen extent -1.27,-1.27 11.43,1.27
HDR1X8 [mm] "Connector; Header; 8 Position"
  rect 1.5x1.5 hole 0.9: 1(0,0)
  round 1.5 hole 0.9: 2(2.54,0) 3(5.08,0) 4(7.62,0) 5(10.16,0) 6(12.7,0) 7(15.24,0) 8(17.78,0)
  silkscreen extent -1.27,-1.27 19.05,1.27
"IND: 0805" [mm]
  rect 1x1.25 smd: 1(-1,0) 2(1,0)
  silkscreen extent -1.7,-0.82 1.7,0.82, body extent -1,-0.62 1,0.63, height 0.85
RCA/4.5-H2 [mm] "Two Conductor Jack (RCA), Right Angle, Thru-Hole, Body 10 x 10 x 13 mm (WxTxH)"
  oval 2x3 hole 1.2: 1A(-4,0)
  oval 3x2 hole 1.2: 2B(-8.496,0)
  silkscreen extent -10.07,-5 9.5,5
"RES: 0603" [mm]
  rect 0.85x0.85 smd: 1(-0.7,0) 2(0.7,0)
  silkscreen extent -1.33,-0.63 1.33,0.63, body extent -0.8,-0.4 0.8,0.4, height 0.44
"RES: 0805" [mm]
  rect 1x1.25 smd: 1(-1,0) 2(1,0)
  silkscreen extent -1.7,-0.82 1.7,0.82, body extent -1,-0.6 1,0.6, height 0.48
"RES: 1206" [mm]
  rect 1x1.6 smd: 1(-1.5,0) 2(1.5,0)
  silkscreen extent -2.2,-1 2.2,1, body extent -1.65,-0.8 1.55,0.8, height 0.47
"RES: 3296W" [mm]
  round 1.8 hole 0.9: 1(0,0) 2(2.54,0) 3(5.08,0)
  round 0.5 on Top Overlay: ""(-2.85,2.325)
  silkscreen extent -2.37,-2.55 7.45,2.55, body extent -2.22,-2.4 7.31,2.4, height 11.55
SOP65P640X110-20N [mm] "SOP, 20-Leads, Body 6.6x4.5mm (max), Pitch 0.65mm, IPC Medium Density"
  rect 1.45x0.45 smd: 1(-2.95,2.925) 2(-2.95,2.275) 3(-2.95,1.625) 4(-2.95,0.975) 5(-2.95,0.325) 6(-2.95,-0.325) 7(-2.95,-0.975) 8(-2.95,-1.625) 9(-2.95,-2.275) 10(-2.95,-2.925) 11(2.95,-2.925) 12(2.95,-2.275) 13(2.95,-1.625) 14(2.95,-0.975) 15(2.95,-0.325) 16(2.95,0.325) 17(2.95,0.975) 18(2.95,1.625) 19(2.95,2.275) 20(2.95,2.925)
  silkscreen extent -3.08,-3.3 1.85,3.82, body extent -3.12,-3.3 3.12,3.3, height 1.19
SOT23 [mm]
  rect 1.1x0.6 smd: 1(-1.2,0.95) 2(-1.2,-0.95) 3(1.2,0)
  round 0.5 on Mech1: ""(-0.9,1.1)
  silkscreen extent -0.3,-1.5 0.7,1.5, body extent -1.32,-1.52 1.32,1.52, height 1.12
SOT95P230X112-3N [mm] "SOT23 3-Leads, Pitch 0.95mm - Body 1.3x2.86mm, IPC Medium Density"
  rect 0.95x0.65 smd: 1(-1.1,0.95) 2(-1.1,-0.95) 3(1.1,0)
  silkscreen extent -1.43,-1.45 0.3,1.92, body extent -1.25,-1.5 1.25,1.5, height 1.1
"TO126V A" [mm]
  oct 2x2 hole 1: 1(-2.54,0)
  round 2 hole 1: 2(0,0) 3(2.54,0)
  silkscreen extent -3.81,-1.1 3.81,1.55, body extent -3.81,-1.04 3.81,1.55, height 13.02
TO-220-V [mm] "TO-220 3-Terminal - Vertical Mount"
  rect 2x2 hole 1.2: 1(-2.54,0)
  round 2 hole 1.2: 2(0,0) 3(2.54,0)
  silkscreen extent -5.21,-1.78 5.21,3.05, body extent -5.27,-1.75 5.27,2.95, height 20.5
"TRANS: ZMPT107" [mm]
  round 1.8 hole 0.8: 1(0,0) 2(0,-7.239) 3(16.3,-7.2) 4(16.3,0)
  silkscreen extent -1.5,-8.65 17.83,1.59, body extent -1.5,-8.64 17.81,1.56, height 18.2
XTAL_EPSON_MC-406 [mm] "EPSON Crystal; 10.41mm L X 4.06mm W X 3.6mm H"
  rect 1.52x4.1 smd: 1(-1.16,4) 2(-1.16,-4) 3(1.16,-4) 4(1.16,4)
  silkscreen extent -2.7,-1.55 2.03,4.57, body extent -2.03,-5.4 2.03,5.41, height 3.6